# KiCad board Soldered Inkplate 6FLICK.kicad_pcb
title: Soldered Inkplate 6FLICK Gen2; date: 2023-11-27; rev: V1.0.0.; company: SOLDERED; note: 333312
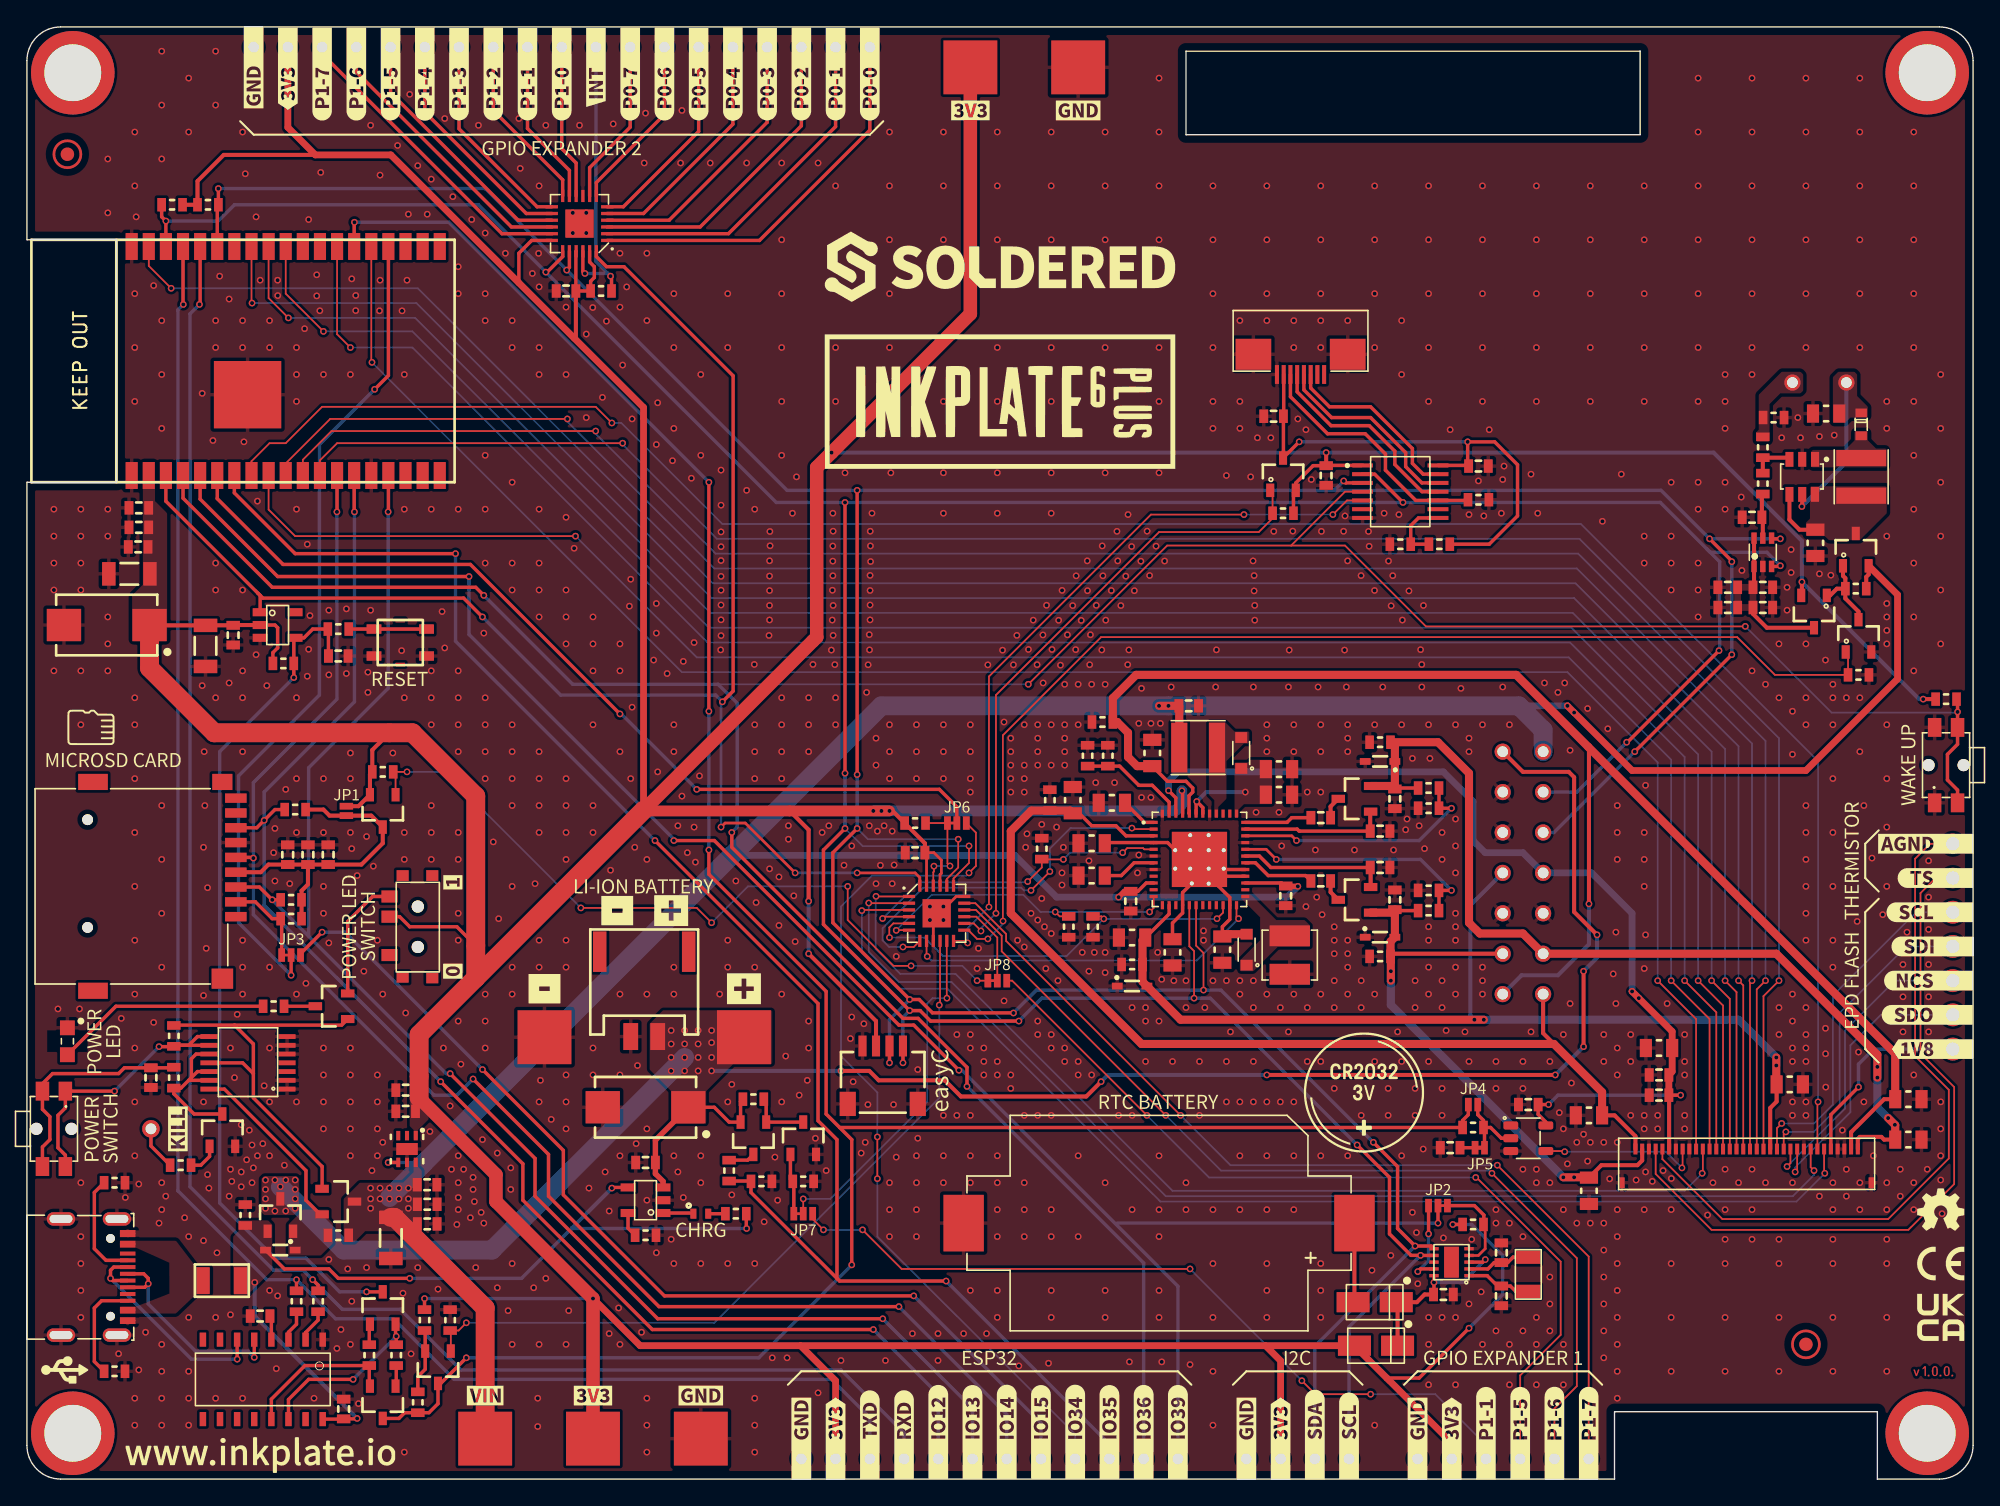
[diagram p0: board, top side]
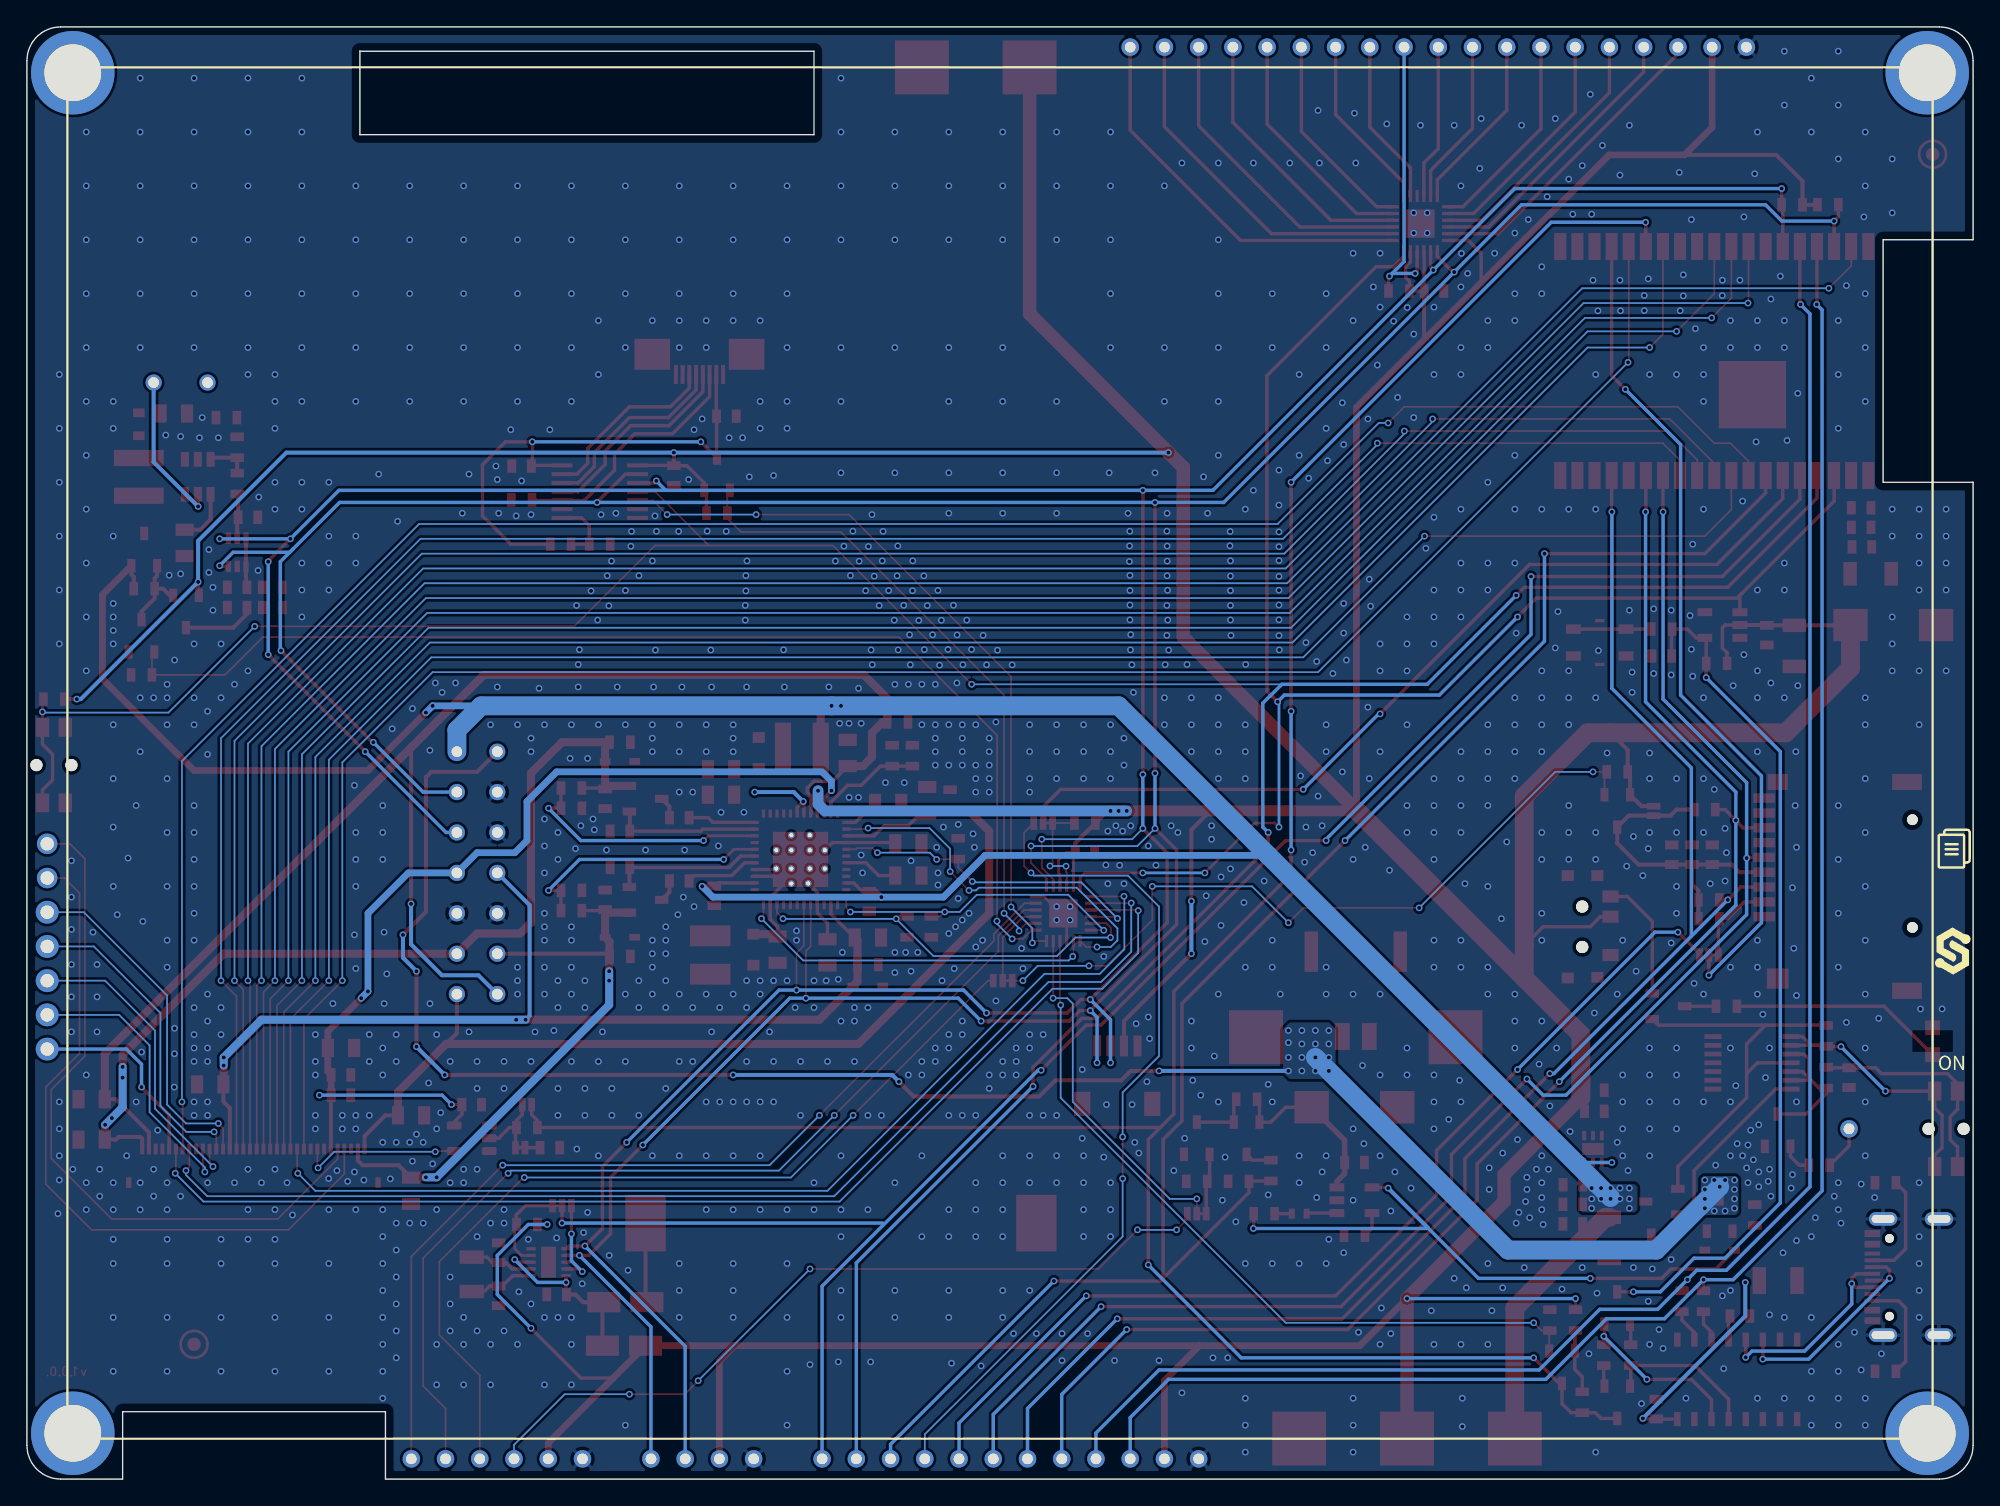
[diagram p1: board, bottom side, seen from below]

Outline 144.4 x 107.8 mm; copper layers: Top, Bottom. Coordinates in mm from the lower left corner of the outline.
Outline path: 0,105.3 arc(0.73,107.07) 2.5,107.8 141.9,107.8 arc(143.67,107.07) 144.4,105.3 144.4,2.5 arc(143.67,0.73) 141.9,0 137.3,0 137.3,5 117.8,5 117.8,0 2.5,0 arc(0.73,0.73) 0,2.5 0,74 6.67,74 6.67,92 0,92 0,105.3 ; 86,106 86,99.8 119.7,99.8 119.7,106 86,106
Stack: Top 0.035mm / dielectric 1.51mm FR4 er 4.5 / Bottom 0.035mm

## Placement (name value [footprint] x y rotation side)
C1  4u7-TMK212AB7475KG-T  [0805C]  80.5 50.2 0 top
C2  4u7-TMK212AB7475KG-T  [0805C]  77.6 50.4 270 top
C3  4u7-TMK212AB7475KG-T  [0805C]  79 47.2 0 top
C4  4u7-TMK212AB7475KG-T  [0805C]  79 44.8 0 top
C5  10u-GRM188R61E106KA73J  [0603C]  81.9 42.9 90 top
C6  4u7-TMK212AB7475KG-T  [0805C]  82 40.2 0 top
C7  4u7-TMK212AB7475KG-T  [0805C]  85 39.1 90 top
C8  10u-GRM188R61E106KA73J  [0603C]  93.4 43.3 90 top
C9  4u7-TMK212AB7475KG-T  [0805C]  88.7 39.3 270 top
C10  10u-GRM188R61E106KA73J  [0603C]  86.2 57.4 180 top
C11  4u7-TMK212AB7475KG-T  [0805C]  92.9 50.8 0 top
C12  4u7-TMK212AB7475KG-T  [0805C]  92.9 52.7 180 top
C13  4u7-TMK212AB7475KG-T  [0805C]  83.5 53.9 270 top
C14  2u2-GRM188R61E225MA12D  [0603C]  101.5 50.5 90 top
C15  2u2-GRM188R61E225MA12D  [0603C]  101.5 43 270 top
C16  10n-AC0603KRX7R8BB103  [0603C]  96 44.4 180 top
C17  10n-AC0603KRX7R8BB103  [0603C]  96 49.1 0 top
C18  100n-AC0603KRX7R8BB104  [0603C]  100.4 45.4 180 top
C19  100n-AC0603KRX7R8BB104  [0603C]  100.4 48.1 180 top
C20  100n  [0603C]  23.5 5.2 270 top
C21  10u  [1206C]  13.25 61.85 90 top
C22  100n  [0603C]  17.3 12.1 0 top
C23  100n  [0603C]  15.3 62.65 90 top
C24  DNP  [2917C]  45.9 27.6 180 top
C25  2u2  [0603C]  45.9 23.5 0 top
C26  2u2  [0603C]  23.1 61.1 180 top
C27  10u  [1206C]  27 17.9 90 top
C28  2u2  [0603C]  29.7 18.94 180 top
C29  100n  [0603C]  29.7 20.4 180 top
C30  100n  [0603C]  29.69 21.85 180 top
C31  2u2  [0603C]  28.1 27.3 0 top
C32  100n  [0603C]  9.2 29.8 90 top
C33  100n  [0603C]  28.1 28.87 0 top
C34  12p  [0603C]  109.4 13.6 90 top
C35  12p  [0603C]  109.4 16.8 270 top
C36  100n  [0603C]  105.1 13.7 180 top
C37  2u2  [0603C]  22.35 46.35 270 top
C38  100n  [0603C]  19.35 46.35 270 top
C39  100n  [0603C]  20.85 46.35 270 top
C40  100n  [0603C]  96.4 74.5 90 top
C41  100n  [0603C]  107.7 75.2 0 top
C42  4u7  [0603C]  126.2 64.7 180 top
C43  1u  [0603C]  128.8 64.7 0 top
C44  100n  [0603C]  126.2 66.2 180 top
C45  100n  [0603C]  128 71.4 0 top
C46  100n  [0603C]  128.8 66.2 180 top
C47  100n  [0603C]  92.5 78.9 0 top
C48  CL21B105KBFNNNG  [0805C]  133.5 79.1 0 top
C49  CL21B105KBFNNNG  [0805C]  132.7 69.5 90 top
C50  4u7-TMK212AB7475KG-T  [0805C]  121.1 32 0 top
C51  4u7-TMK212AB7475KG-T  [0805C]  115.9 27 0 top
C52  4u7-TMK212AB7475KG-T  [0805C]  115.9 21.4 90 top
C53  4u7-TMK212AB7475KG-T  [0805C]  130.8 29.3 180 top
C54  4u7-TMK212AB7475KG-T  [0805C]  139.6 28.2 180 top
C55  4u7-TMK212AB7475KG-T  [0805C]  139.6 25.2 180 top
C56  100p  [0603C]  105.6 24.6 0 top
C57  100n  [0603C]  121.1 30 180 top
C58  100n  [0603C]  121.1 28.5 180 top
C59  100n  [0603C]  111.4 27.8 0 top
C60  100n  [0603C]  65.9 46.5 0 top
C61  10u  [1206C]  7.6 67.2 0 top
C62  2u2  [0603C]  8.25 69.2 0 top
C63  100n  [0603C]  8.3 70.65 0 top
C64  100n  [0603C]  8.3 72.1 0 top
C65  DNP  [2917C]  5.92 63.4 180 top
C66  100n  [0603C]  40 88.2 0 top
D1  CUS10F30,H3F  [SOD-323-2]  90.5 39.3 90 top
D2  BAT20J  [SOD-323]  100.4 53.27 180 top
D3  CUS10F30,H3F  [SOD-323-2]  90.1 53.9 90 top
D4  BAT20J  [SOD-323]  82 36.6 0 top
D5  BAT20J  [SOD-323]  100.4 40.23 0 top
D6  BAT54S  [SOT-23-3]  98.5 43 180 top
D7  BAT54S  [SOT-23-3]  98.5 50.5 180 top
D8  RED  [0402LED]  50 19.7 180 top
D9  0603LED_SIDE  [LTST-S270GKT]  3 32.5 90 top
D10  BAT20J  [SOD-323#2]  18.8 17 0 top
D11  -  [M4_DIODA]  100.1 9.9 0 top
D12  -  [M4_DIODA]  100 13.13 0 top
D13  RB510SM-40FHT2R  [SOD-523]  136.1 78.3 0 top
F1  1206FUSE-500mA  [1206FUSE]  14.46 14.73 180 top
FD1  FIDUCIAL  [FIDUCIAL_23]  132 10 0 top
FD2  FIDUCIAL  [FIDUCIAL_23]  3 98.35 0 top
G***  LOGO  [Logo-Front-OSH-3.5mm]  142 20 0 top
G***#2  LOGO  [Logo-Front-easyC-NewFont]  67.9 29.6 90 top
G***#3  LOGO  [Symbol-Front-SDcard]  4.75 55.8 270 top
G***#4  LOGO  [Logo-Back-Soldered-3.5mm]  1.5 39.2 0 top
G***#5  LOGO  [Symbol-Front-USB]  2.8 8.1 270 top
G***#6  LOGO  [Symbol-Front-EPD]  1.4 46.8 180 bottom
H1  -  [Standoff_M3]  3.4 3.4 0 top
H2  -  [Standoff_M3]  141 3.4 0 top
H3  -  [Standoff_M3]  141 104.4 0 top
H4  -  [Standoff_M3]  3.4 104.4 0 top
JP1  -  [SMD_JUMPER]  23.7 49.6 90 top
JP2  -  [SMD_JUMPER_3_PAD_CONNECTED_LEFT_TRACE]  104.7 20.3 180 top
JP3  -  [SMD_JUMPER_3_PAD_CONNECTED_LEFT_TRACE]  19.6 38.9 0 top
JP4  -  [SMD_JUMPER]  107.3 27.8 0 top
JP5  -  [SMD-JUMPER-CONNECTED_TRACE_SOLDERMASK]  107.8 24.6 0 top
JP6  -  [SMD_JUMPER_3_PAD_CONNECTED_LEFT_TRACE]  69 48.7 0 top
JP7  -  [SMD_JUMPER_3_PAD_CONNECTED_LEFT_TRACE]  57.6 19.7 0 top
JP8  -  [SMD_JUMPER_3_PAD_CONNECTED_LEFT_TRACE]  72 37 0 top
K1  Inkplate_TP  [INKPLATE TEST HEADER]  111 45 180 top
K2  -  [U262-161N-4BVC11]  3 15 90 top
K3  easyC-SMD  [easyC-connector]  63.5 30 180 top
K4  -  [JST-2pin-SMD]  45.8 36 0 top
K5  -  [HEADER_MALE_1X1_Inkplate]  93.02 1.5 180 top
K6  -  [HEADER_MALE_1X1_Inkplate]  98.1 1.5 180 top
K7  -  [HEADER_MALE_1X1_Inkplate]  95.56 1.5 180 top
K8  -  [HEADER_MALE_1X1_Inkplate]  90.48 1.5 180 top
K9  -  [HEADER_MALE_1X1_Inkplate]  9.2 26 0 top
K10  -  [HYC77-TF09-200]  10 44 270 top
K11  CR2032_BS-6-1  [CR2032-BS-6-1]  84 19 0 top
K12  -  [SFV8R-1STBE1HLF]  94.5 82 180 top
K13  -  [HEADER_MALE_5X1]  142.9 37 90 top
K14  -  [FH34SRJ-34S-0.5SH(50)]  127.6 24.5 0 top
K15  -  [HEADER_MALE_1X1_Inkplate]  77.78 1.5 180 top
K16  -  [HEADER_MALE_1X1_Inkplate]  60 1.5 0 top
K17  -  [HEADER_MALE_1X1_Inkplate]  57.46 1.5 0 top
K18  -  [HEADER_MALE_1X1_Inkplate]  80.32 1.5 180 top
K19  -  [HEADER_MALE_1X1_Inkplate]  62.54 1.5 180 top
K20  -  [HEADER_MALE_1X1_Inkplate]  65.08 1.5 180 top
K21  -  [HEADER_MALE_1X1_Inkplate]  113.34 1.5 180 top
K22  -  [HEADER_MALE_1X1_Inkplate]  115.88 1.5 180 top
K23  -  [HEADER_MALE_1X1_Inkplate]  108.26 1.5 180 top
K24  -  [HEADER_MALE_1X1_Inkplate]  110.8 1.5 180 top
K25  -  [HEADER_MALE_1X1_Inkplate]  72.7 1.5 180 top
K26  -  [HEADER_MALE_1X1_Inkplate]  67.62 1.5 180 top
K27  -  [HEADER_MALE_1X1_Inkplate]  70.16 1.5 180 top
K28  -  [HEADER_MALE_1X1_Inkplate]  62.54 106.3 180 top
K29  -  [HEADER_MALE_1X1_Inkplate]  60 106.3 180 top
K30  -  [HEADER_MALE_1X1_Inkplate]  57.46 106.3 180 top
K31  -  [HEADER_MALE_1X1_Inkplate]  54.92 106.3 180 top
K32  -  [HEADER_MALE_1X1_Inkplate]  52.38 106.3 180 top
K33  -  [HEADER_MALE_1X1_Inkplate]  49.84 106.3 180 top
K34  -  [HEADER_MALE_1X1_Inkplate]  47.3 106.3 180 top
K35  -  [HEADER_MALE_1X1_Inkplate]  44.76 106.3 180 top
K36  -  [HEADER_MALE_1X1_Inkplate]  85.4 1.5 180 top
K37  -  [HEADER_MALE_1X1_Inkplate]  82.86 1.5 180 top
K38  -  [HEADER_MALE_1X1_Inkplate]  75.24 1.5 180 top
K39  -  [HEADER_MALE_1X1_Inkplate]  39.68 106.3 180 top
K40  -  [HEADER_MALE_1X1_Inkplate]  37.14 106.3 180 top
K41  -  [HEADER_MALE_1X1_Inkplate]  34.6 106.3 180 top
K42  -  [HEADER_MALE_1X1_Inkplate]  32.06 106.3 180 top
K43  -  [HEADER_MALE_1X1_Inkplate]  29.52 106.3 180 top
K44  -  [HEADER_MALE_1X1_Inkplate]  26.98 106.3 180 top
K45  -  [HEADER_MALE_1X1_Inkplate]  24.44 106.3 180 top
K46  -  [HEADER_MALE_1X1_Inkplate]  21.9 106.3 180 top
K47  -  [HEADER_MALE_1X1_Inkplate]  105.72 1.5 0 top
K48  -  [HEADER_MALE_1X1_Inkplate]  103.18 1.5 0 top
K49  -  [HEADER_MALE_1X1_Inkplate]  42.22 106.3 180 top
K50  -  [HEADER_MALE_1X1_Inkplate]  19.36 106.3 180 top
K51  -  [HEADER_MALE_1X1_Inkplate]  16.82 106.3 180 top
K52  -  [HEADER_MALE_2X1]  142.9 45.89 270 top
kibuzzard-63F89A8C  G***  [kibuzzard-63F89A8C]  139.6 53 90 top
kibuzzard-63F89AAD  G***  [kibuzzard-63F89AAD]  84 28 0 top
kibuzzard-63F89AC1  G***  [kibuzzard-63F89AC1]  50 6.2 0 top
kibuzzard-63F89AC1#2  G***  [kibuzzard-63F89AC1]  78 101.6 0 top
kibuzzard-63F89ACB  G***  [kibuzzard-63F89ACB]  42 6.2 0 top
kibuzzard-63F89ACB#2  G***  [kibuzzard-63F89ACB]  70 101.6 0 top
kibuzzard-63F89AD4  G***  [kibuzzard-63F89AD4]  34 6.2 0 top
kibuzzard-63F89AE1  G***  [kibuzzard-63F89AE1]  50 18.5 0 top
kibuzzard-63F89AEB  G***  [kibuzzard-63F89AEB]  45.8 44 0 top
kibuzzard-63F89B38  G***  [kibuzzard-63F89B38]  31.6 37.7 90 top
kibuzzard-63F89B49  G***  [kibuzzard-63F89B49]  31.6 44.3 90 top
kibuzzard-63F89F9C  G***  [kibuzzard-63F89F9C]  53.2 36.4 0 top
kibuzzard-63F89F95  G***  [kibuzzard-63F89F95]  47.8 42.2 0 top
kibuzzard-63F89FA3  G***  [kibuzzard-63F89FA3]  43.8 42.2 0 top
kibuzzard-63F89FAA  G***  [kibuzzard-63F89FAA]  38.4 36.4 0 top
kibuzzard-63F89728  G***  [kibuzzard-63F89728]  11.2 26 90 top
kibuzzard-63F89858  G***  [kibuzzard-63F89858]  71.43 9 0 top
kibuzzard-65560DD7  G***  [kibuzzard-65560DD7]  1.6 30.9 180 bottom
kibuzzard-65560E5E  G***  [kibuzzard-65560E5E]  19.6 40.1 0 top
kibuzzard-65560E6D  G***  [kibuzzard-65560E6D]  23.7 50.8 0 top
kibuzzard-65560EA2  G***  [kibuzzard-65560EA2]  57.6 18.5 0 top
kibuzzard-65560EC9  G***  [kibuzzard-65560EC9]  72 38.2 0 top
kibuzzard-65560F4D  G***  [kibuzzard-65560F4D]  69 49.9 0 top
kibuzzard-65560F7C  G***  [kibuzzard-65560F7C]  107.3 29 0 top
kibuzzard-65560FAB  G***  [kibuzzard-65560FAB]  107.8 23.4 0 top
kibuzzard-65560FCB  G***  [kibuzzard-65560FCB]  104.7 21.5 0 top
kibuzzard-65561A0E  G***  [kibuzzard-65561A0E]  113.34 3.4 90 top
kibuzzard-65561A24  G***  [kibuzzard-65561A24]  115.88 3.4 90 top
kibuzzard-65561A56  G***  [kibuzzard-65561A56]  21.9 104.3 90 top
kibuzzard-65561A76  G***  [kibuzzard-65561A76]  44.76 104.3 90 top
kibuzzard-65561A88  G***  [kibuzzard-65561A88]  47.3 104.3 90 top
kibuzzard-65561AB2  G***  [kibuzzard-65561AB2]  24.44 104.3 90 top
kibuzzard-65561ABA  G***  [kibuzzard-65561ABA]  26.98 104.3 90 top
kibuzzard-65561AC2  G***  [kibuzzard-65561AC2]  29.52 104.3 90 top
kibuzzard-65561ACC  G***  [kibuzzard-65561ACC]  32.06 104.3 90 top
kibuzzard-65561AD5  G***  [kibuzzard-65561AD5]  34.6 104.3 90 top
kibuzzard-65561AE0  G***  [kibuzzard-65561AE0]  37.14 104.3 90 top
kibuzzard-65561AE8  G***  [kibuzzard-65561AE8]  39.68 104.3 90 top
kibuzzard-65561AF6  G***  [kibuzzard-65561AF6]  49.84 104.3 90 top
kibuzzard-65561B2D  G***  [kibuzzard-65561B2D]  57.46 104.3 90 top
kibuzzard-65561B09  G***  [kibuzzard-65561B09]  52.38 104.3 90 top
kibuzzard-65561B26  G***  [kibuzzard-65561B26]  54.92 104.3 90 top
kibuzzard-65561B35  G***  [kibuzzard-65561B35]  60 104.3 90 top
kibuzzard-65561B41  G***  [kibuzzard-65561B41]  62.54 104.3 90 top
kibuzzard-65561B57  G***  [kibuzzard-65561B57]  42.22 104.8 90 top
kibuzzard-65561DE5  G***  [kibuzzard-65561DE5]  141.2 42.08 0 top
kibuzzard-65561DF9  G***  [kibuzzard-65561DF9]  141.4 39.54 0 top
kibuzzard-65561E0C  G***  [kibuzzard-65561E0C]  141 34.46 0 top
kibuzzard-65561E1E  G***  [kibuzzard-65561E1E]  141.4 31.92 0 top
kibuzzard-65561E03  G***  [kibuzzard-65561E03]  141.1 37 0 top
kibuzzard-65647A0D  G***  [kibuzzard-65647A0D]  140.9 47.16 0 top
kibuzzard-65647A02  G***  [kibuzzard-65647A02]  141.6 44.62 0 top
kibuzzard-655603AE  G***  [kibuzzard-655603AE]  6.4 32.5 90 top
kibuzzard-655616C1  G***  [kibuzzard-655616C1]  94.29 9 0 top
kibuzzard-655616E7  G***  [kibuzzard-655616E7]  109.53 9 0 top
kibuzzard-655618EE  G***  [kibuzzard-655618EE]  62.54 3.3 90 top
kibuzzard-655619A9  G***  [kibuzzard-655619A9]  82.86 3.5 90 top
kibuzzard-655619B1  G***  [kibuzzard-655619B1]  85.4 3.5 90 top
kibuzzard-655619BF  G***  [kibuzzard-655619BF]  95.56 3.3 90 top
kibuzzard-655619C8  G***  [kibuzzard-655619C8]  98.1 3.2 90 top
kibuzzard-655619E4  G***  [kibuzzard-655619E4]  108.26 3.4 90 top
kibuzzard-655619F2  G***  [kibuzzard-655619F2]  110.8 3.4 90 top
kibuzzard-656479A8  G***  [kibuzzard-656479A8]  135.4 45.89 90 top
kibuzzard-656479D1  G***  [kibuzzard-656479D1]  135.4 37 90 top
kibuzzard-6556039F  G***  [kibuzzard-6556039F]  5 32.5 90 top
kibuzzard-6556039F#2  G***  [kibuzzard-6556039F]  4.8 26 90 top
kibuzzard-6556119D  G***  [kibuzzard-6556119D]  27.7 59.4 0 top
kibuzzard-6556183B  G***  [kibuzzard-6556183B]  103.18 3 90 top
kibuzzard-6556188F  G***  [kibuzzard-6556188F]  93.02 3 90 top
kibuzzard-6556197A  G***  [kibuzzard-6556197A]  77.78 3.5 90 top
kibuzzard-65560380  G***  [kibuzzard-65560380]  6.42 53.38 0 top
kibuzzard-65560429  G***  [kibuzzard-65560429]  6.2 26 90 top
kibuzzard-65561107  G***  [kibuzzard-65561107]  23.9 41 90 top
kibuzzard-65561113  G***  [kibuzzard-65561113]  25.3 41 90 top
kibuzzard-65561706  G***  [kibuzzard-65561706]  39.68 98.8 0 top
kibuzzard-65561816  G***  [kibuzzard-65561816]  57.46 3 90 top
kibuzzard-65561831  G***  [kibuzzard-65561831]  90.48 3 90 top
kibuzzard-65561847  G***  [kibuzzard-65561847]  16.82 104.8 90 top
kibuzzard-65561857  G***  [kibuzzard-65561857]  19.36 104.7 90 top
kibuzzard-65561874  G***  [kibuzzard-65561874]  60 3 90 top
kibuzzard-65561898  G***  [kibuzzard-65561898]  105.72 3 90 top
kibuzzard-65561923  G***  [kibuzzard-65561923]  65.08 3.3 90 top
kibuzzard-65561939  G***  [kibuzzard-65561939]  67.62 3.5 90 top
kibuzzard-65561947  G***  [kibuzzard-65561947]  70.16 3.5 90 top
kibuzzard-65561959  G***  [kibuzzard-65561959]  72.7 3.5 90 top
kibuzzard-65561965  G***  [kibuzzard-65561965]  75.24 3.5 90 top
kibuzzard-65561998  G***  [kibuzzard-65561998]  80.32 3.5 90 top
L1  LQH44PN4R7MP0L  [1515L]  93.7 38.9 90 top
L2  NR4012T2R2M  [NR4012]  86.9 54.3 0 top
L3  NR4012T220M  [NR4012]  136.1 74.4 270 top
PAD1  -  [PAD_4x4]  53.2 32.8 0 top
PAD2  -  [PAD_4x4]  38.4 32.8 0 top
PAD3  -  [PAD_4x4]  34 3 0 top
PAD4  -  [PAD_4x4]  70 104.8 0 top
PAD5  -  [PAD_4x4]  42 3 0 top
PAD6  -  [PAD_4x4]  78 104.8 0 top
PAD7  -  [PAD_4x4]  50 3 0 top
Q1  DNP  [SOT-23-3]  30.5 8.3 270 top
Q2  NPN  [SOT-23-3]  26.4 12.7 90 top
Q3  NPN  [SOT-23-3]  26.4 5.7 270 top
Q4  NMOS  [SOT-23-3]  57.6 25.3 90 top
Q5  PMOS  [SOT-23-3]  53.9 25.3 270 top
Q6  PMOS  [SOT-23-3]  22.6 35.1 180 top
Q7  SSM3J358R,LF  [SOT-23-3]  18.8 19.6 90 top
Q8  NPN  [SOT-23-3]  14.5 25.9 90 top
Q9  SSM3J358R,LF  [SOT-23-3]  23.1 20.6 0 top
Q10  PMOS  [SOT-23-3]  26.4 49.6 270 top
Q11  PMOS  [SOT-23-3#2]  93.2 74.6 270 top
Q12  PMOS  [SOT-23-3#2]  132.6 64.4 90 top
Q13  NMOS  [SOT-23-3#2]  135.9 62.6 270 top
Q14  PMOS  [SOT-23-3#2]  135.7 69 270 top
R1  10k  [0603R]  10.77 94.6 0 top
R2  NTC-NCP18XH103F03RB  [0603R]  78.7 53.7 270 top
R3  43k-RC0603FR-0743KL  [0603R]  80.2 53.7 270 top
R4  10k  [0603R]  13.43 94.6 180 top
R5  100k  [0603R]  75.3 46.8 90 top
R6  100k  [0603R]  77.3 41 270 top
R7  100k  [0603R]  79.1 41 270 top
R8  4k7  [0603R]  75.9 50.4 90 top
R9  4k7  [0603R]  79.8 56.2 180 top
R10  4k7  [0603R]  100.4 54.7 0 top
R11  4k7  [0603R]  82 38.2 0 top
R12  4k7  [0603R]  100.4 38.8 0 top
R13  1M  [0603R]  104 51.3 180 top
R14  47k5-RC0603FR-0747K5L  [0603R]  104 49.8 0 top
R15  1M  [0603R]  104 42.2 180 top
R16  52k3-RC0603FR-0752K3L  [0603R]  104 43.7 0 top
R17  5k1  [0603R]  6.5 8 0 top
R18  5k1  [0603R]  6.5 22 0 top
R19  DNP  [0603R]  31.4 11.8 270 top
R20  1k  [0603R]  29.5 11.8 90 top
R21  0R  [0603R]  29 5.7 90 top
R22  47k  [0603R]  19.03 60.55 180 top
R23  1k  [0603R]  20 13.2 90 top
R24  1k  [0603R]  21.6 13.2 90 top
R25  100k  [0603R]  57.6 22.1 180 top
R26  33k  [0603R]  25.4 9.2 270 top
R27  33k  [0603R]  27.4 9.2 90 top
R28  1k  [0603R]  52.6 19.7 180 top
R29  510k  [0603R]  53.9 28.2 180 top
R30  100k  [0603R]  52.1 22.9 90 top
R31  100k  [0603R]  54.5 22.1 180 top
R32  2k49  [0603R]  45.9 18.1 0 top
R33  47R  [0603R]  23.1 63.1 180 top
R34  DNP  [0603R]  23.1 18.1 0 top
R35  1k  [0603R]  18.3 35.1 180 top
R36  100k  [0603R]  16.2 19.6 270 top
R37  1k  [0603R]  11.4 23.3 180 top
R38  100k  [0603R]  10.9 32.9 90 top
R39  100k  [0603R]  10.9 29.8 270 top
R40  100k  [0603R]  26.4 52.5 0 top
R41  100k  [0603R]  142.4 57.9 180 top
R42  10k  [0603R]  107.3 18.9 180 top
R43  100k  [0603R]  19.6 41.6 0 top
R44  100k  [0603R]  19.6 43 0 top
R45  100k  [0603R]  19.9 49.7 0 top
R46  100k  [0603R]  93.2 71.7 180 top
R47  10k  [0603R]  104.8 69.4 0 top
R48  100k  [0603R]  101.9 69.4 180 top
R49  100k  [0603R]  107.7 72.7 0 top
R50  15R  [0603R]  129.6 78.8 180 top
R51  5k1  [0603R]  128.8 76.6 270 top
R52  47k  [0603R]  128.8 73.9 270 top
R53  100k  [0603R]  135.9 59.7 180 top
R54  100k  [0603R]  135.7 66.1 0 top
R55  330R  [0603R]  107.3 26.1 0 top
R56  10k  [0603R]  65.9 48.7 0 top
R57  10k  [0603R]  42.6 88.2 0 top
Ref**  Val**  [Version1.0.0.]  141.5 8 0 top
REF**  -  [Logo-Front-UKCA-3.5mm]  142 12 0 top
REF**#2  -  [Logo-Front-SolderedFULL-26mm]  72.2 90 0 top
REF**#3  -  [Logo-Front-CE-3.5mm]  142 16 0 top
REF**#4  -  [Symbol-Front-CR2032]  99.2 28.7 0 top
REF**#5  -  [Logo-Front-InkplateWebPage-20mm]  17.33 1.78 0 top
REF**#6  -  [Logo-Front-Inkplate6PLUS]  72.2 80 0 top
S1  -  [SK-3296S-01-L1]  29 41 270 top
SW1  -  [YTSA007A0151803B]  27.7 62.1 180 top
SW2  -  [K2-1114SA-A4SW-06]  2 26 270 top
SW3  -  [K2-1114SA-A4SW-06]  142.4 53 90 top
TP1  -  [TESTPOINT-HOLE]  131 81.4 0 top
TP2  -  [TESTPOINT-HOLE]  135 81.4 0 top
U1  TPS65186RGZ  [VQFN-49]  87 46 0 top
U2  TPS3840PL27DBVR  [SOT-23-5]  18.6 63.4 0 top
U3  CH340C  [SOP-16]  17.5 7.4 270 top
U4  MCP73831T  [SOT-23-5]  45.9 20.7 180 top
U5  MC14093BDTR2G  [TSSOP-14]  16.4 30.9 180 top
U6  -  [TPS7A2633DRVR]  28.2 24.5 270 top
U7  -  [PCF85063A]  105.7 16.1 180 top
U8  -  [TXS0104EPWR]  101.9 73.3 0 top
U9  MCP47A1  [MCP47A1-SOT23-6]  128.8 68.8 90 top
U10  AP5726WG-7  [SOT26]  131.72 74.4 180 top
U11  -  [ED060XC3]  72.2 53.9 0 top
U12  -  [SN74LVC1G34DBV]  111.4 25.3 0 top
U13  -  [PCAL6416AHF,128]  67.5 42 0 top
U14  -  [ESP32-WROVER]  19.2 83 90 top
U15  -  [PCAL6416AHF,128]  41 93.2 180 top
X1  7LC32768F12UC  [ABS07AIG-32.768KHZ-7-D-T]  111.4 15.2 90 top

## Library data of the parts
D8 = -: Package: 0402

## Footprints (pads in the part's own frame, mm; a bottom-side part is the same pattern mirrored in y, then rotated)
0402LED
  rect 0.45x0.75 smd: 1(-0.55,0) 2(0.55,0)
0603C
  rect 0.66x1 smd: 1(-0.73,0) 2(0.73,0)
0603R
  rect 0.64x1 smd: 1(-0.775,0) 2(0.775,0)
0805C
  rect 0.9x1.35 smd: 1(-0.975,0) 2(0.975,0)
1206C
  rect 1x1.75 smd: 1(-1.525,0) 2(1.525,0)
1206FUSE
  rect 1x2 smd: 1(-1.4,0) 2(1.4,0)
1515L
  rect 1.55x3 smd: 1(-1.425,0) 2(1.425,0)
2917C
  rect 2.55x2.4 smd: 1(-3.175,0) 2(3.175,0)
ABS07AIG-32.768KHZ-7-D-T
  rect 1x1.8 smd: 1(-1.275,0) 2(1.275,0)
CR2032-BS-6-1
  rect 3x4.2 smd: +(14.5,0) -(-14.5,0)
easyC-connector
  rect 0.6x1.55 smd: 1(-1.5,-2.15) 2(-0.5,-2.15) 3(0.5,-2.15) 4(1.5,-2.15)
  rect 1.2x1.8 smd: 5(-2.6,2.15) 5(2.6,2.15)
ESP32-WROVER
  rect 2x0.9 smd: 1(-8.5,11.43) 2(-8.5,10.16) 3(-8.5,8.89) 4(-8.5,7.62) 5(-8.5,6.35) 6(-8.5,5.08) 7(-8.5,3.81) 8(-8.5,2.54) 9(-8.5,1.27) 10(-8.5,0) 11(-8.5,-1.27) 12(-8.5,-2.54) 13(-8.5,-3.81) 14(-8.5,-5.08) 15(-8.5,-6.35) 16(-8.5,-7.62) 17(-8.5,-8.89) 18(-8.5,-10.16) 19(-8.5,-11.43) 20(8.5,-11.43) 21(8.5,-10.16) 22(8.5,-8.89) 23(8.5,-7.62) 24(8.5,-6.35) 25(8.5,-5.08) 26(8.5,-3.81) 27(8.5,-2.54) 28(8.5,-1.27) 29(8.5,0) 30(8.5,1.27) 31(8.5,2.54) 32(8.5,3.81) 33(8.5,5.08) 34(8.5,6.35) 35(8.5,7.62) 36(8.5,8.89) 37(8.5,10.16) 38(8.5,11.43)
  rect 5x5 smd: 39(-2.5,2.83)
FH34SRJ-34S-0.5SH(50)
  rect 0.3x0.8 smd: 1(-8.25,0) 2(-7.75,0) 3(-7.25,0) 4(-6.75,0) 5(-6.25,0) 6(-5.75,0) 7(-5.25,0) 8(-4.75,0) 9(-4.25,0) 10(-3.75,0) 11(-3.25,0) 12(-2.75,0) 13(-2.25,0) 14(-1.75,0) 15(-1.25,0) 16(-0.75,0) 17(-0.25,0) 18(0.25,0) 19(0.75,0) 20(1.25,0) 21(1.75,0) 22(2.25,0) 23(2.75,0) 24(3.25,0) 25(3.75,0) 26(4.25,0) 27(4.75,0) 28(5.25,0) 29(5.75,0) 30(6.25,0) 31(6.75,0) 32(7.25,0) 33(7.75,0) 34(8.25,0)
  rect 0.4x0.8 smd: 35(-9.25,-2.5) 35(9.25,-2.5)
FIDUCIAL_23
  round 1 smd: 1(0,0)
HEADER_MALE_1X1_Inkplate
  round 1.3 hole 0.8: 1(0,0)
HEADER_MALE_2X1
  round 1.524 hole 1: 1(-1.27,0) 2(1.27,0)
HEADER_MALE_5X1
  round 1.7 hole 1: 1(-5.08,0) 2(-2.54,0) 3(0,0) 4(2.54,0) 5(5.08,0)
HYC77-TF09-200
  round 0.8 hole 1 unplated: (-4.95,-5.5) (3.05,-5.5)
  rect 0.7x1.6 smd: 1(2.25,5.5) 2(1.15,5.5) 3(0.05,5.5) 4(-1.05,5.5) 5(-2.15,5.5) 6(-3.25,5.5) 7(-4.35,5.5) 8(-5.45,5.5) CD(-6.55,5.5)
  rect 1.2x2.2 smd: 12(7.75,-5.1) MNT(-7.75,-5.1)
  rect 1.2x1.5 smd: MNT(-7.75,4.5)
  rect 1.5x1.6 smd: MNT(6.85,4.5)